# KiCad board stepper-driver.kicad_pcb
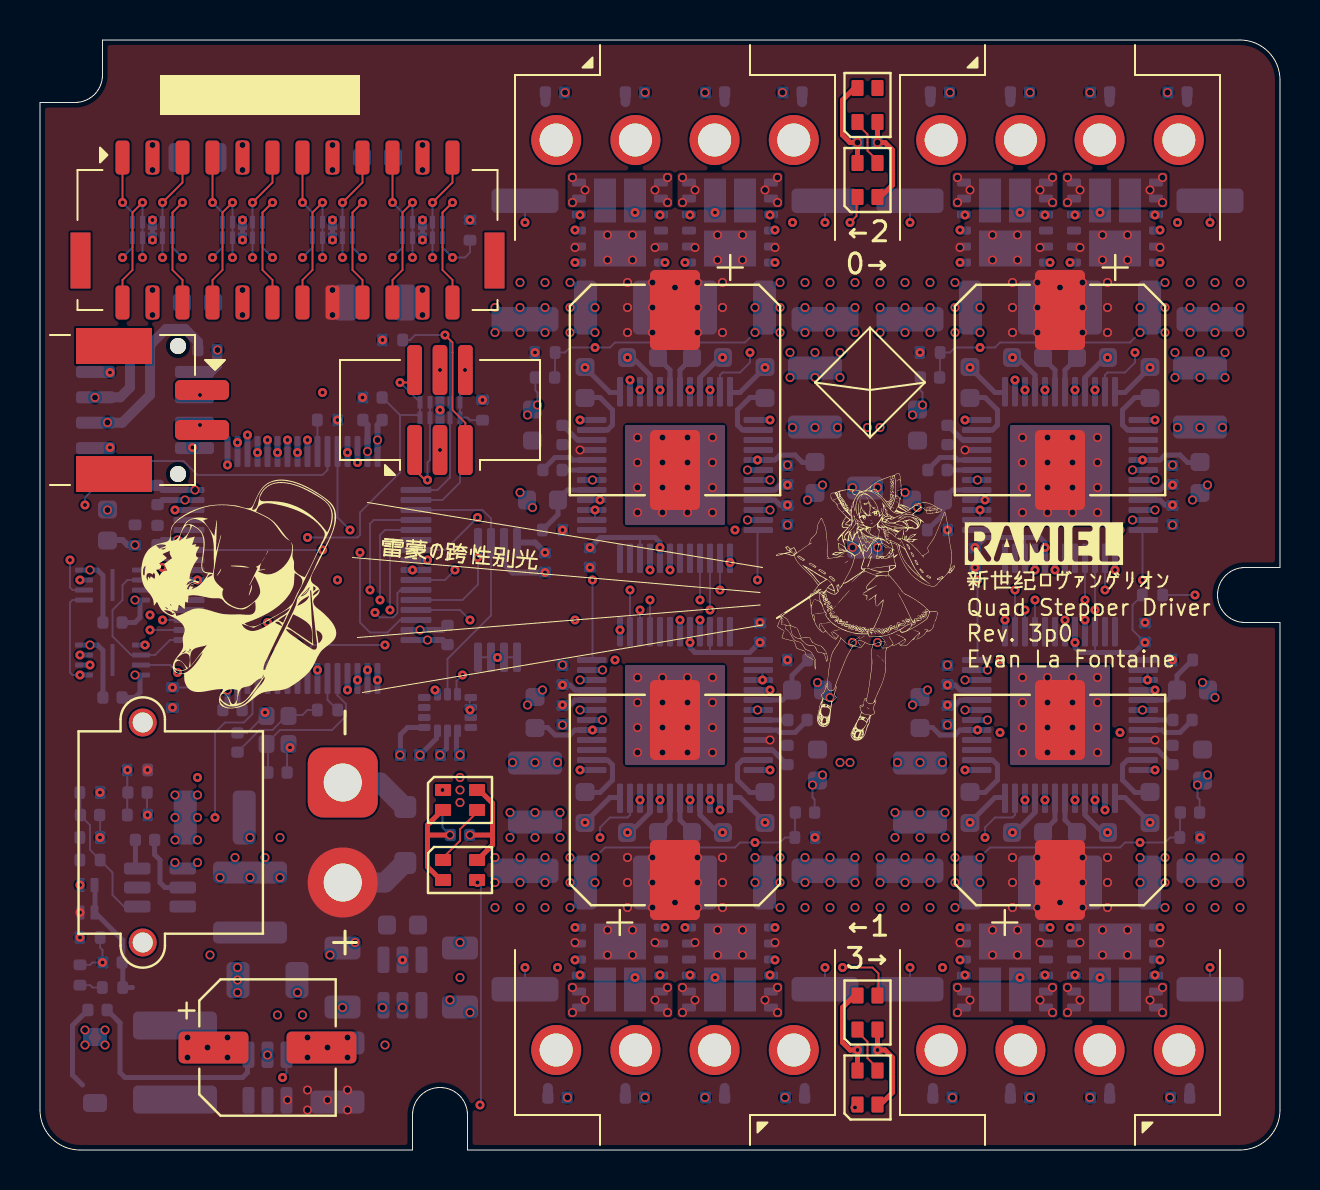
[diagram p0: board, top side]
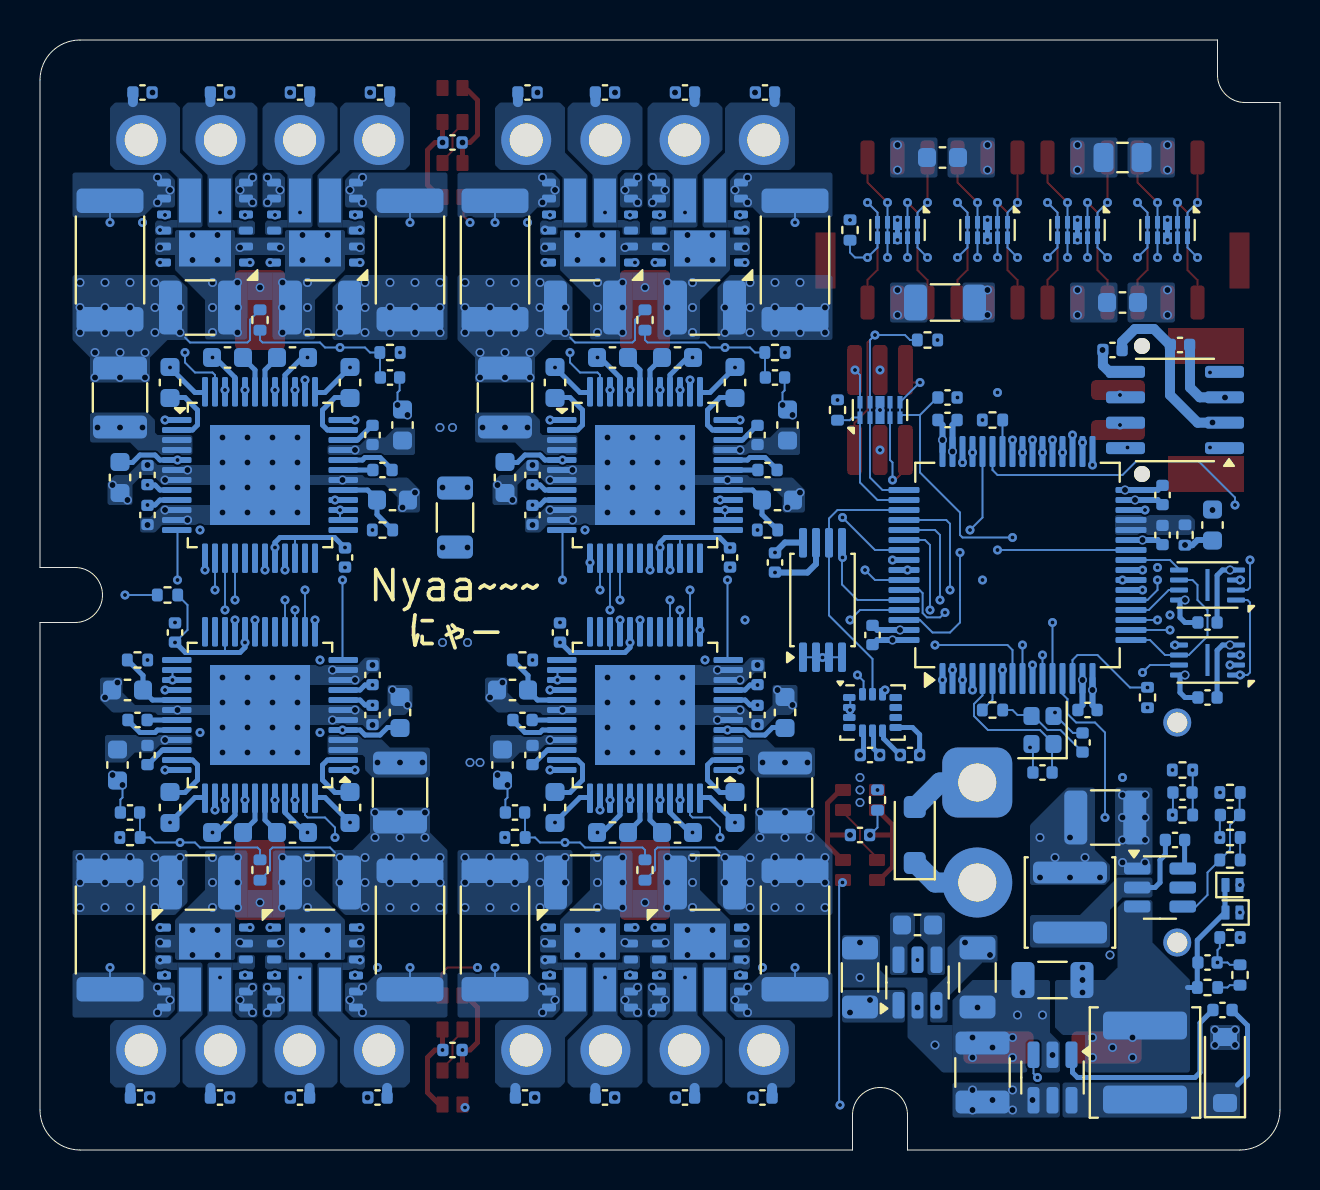
[diagram p1: board, bottom side, seen from below]

Outline 62 x 55.5 mm; copper layers: Top, In1.Cu (plane), In2.Cu, In3.Cu, In4.Cu (plane), Bottom. Coordinates in mm from the lower left corner of the outline.
Outline path: 0,2 0,52.38 1.75,52.38 arc(2.72,52.78) 3.12,53.75 3.12,55.5 60,55.5 arc(61.41,54.91) 62,53.5 62,29.12 60.25,29.12 arc(58.88,27.75) 60.25,26.38 62,26.38 62,2 arc(61.41,0.59) 60,0 21.38,0 21.38,1.75 arc(20,3.12) 18.62,1.75 18.62,0 2,0 arc(0.59,0.59) 0,2
Stack: Top 0.035mm / dielectric 0.0764mm FR4 er 4.5 / In1.Cu 0.0152mm / dielectric 0.075mm FR4 er 4.5 / In2.Cu 0.0152mm / dielectric 0.0764mm FR4 er 4.5 / dielectric 0.218mm FR4 er 4.5 / dielectric 0.0764mm FR4 er 4.5 / In3.Cu 0.0152mm / dielectric 0.075mm FR4 er 4.5 / In4.Cu 0.0152mm / dielectric 0.0764mm FR4 er 4.5 / Bottom 0.035mm

## Placement (name value [footprint] x y rotation side)
C101  10p  [C_0402_1005Metric]  11.88 18.88 180 bottom
C102  10p  [C_0402_1005Metric]  9.88 20.38 270 bottom
C103  10n  [C_0402_1005Metric]  16.62 37.62 0 bottom
C104  2u2-H  [C_1206_3216Metric]  16.75 42.38 180 bottom
C105  220n  [C_0402_1005Metric]  21 15.75 180 bottom
C106  1u-M  [C_0805_2012Metric]  7.88 49.62 0 bottom
C108  220n  [C_0402_1005Metric]  41.38 5 0 bottom
C109  220n  [C_0402_1005Metric]  41.38 50.38 0 bottom
C110  220n  [C_0402_1005Metric]  5 40.25 180 bottom
C111  220n  [C_0402_1005Metric]  5.88 30.75 90 bottom
C112  10u  [C_1206_3216Metric]  41.25 31.62 270 bottom
C113  2u2  [C_0603_1608Metric]  7.88 42.38 180 bottom
C114  2u2  [C_0603_1608Metric]  16.88 49.62 0 bottom
C116  220n  [C_0402_1005Metric]  8.38 40 0 bottom
C117  220n  [C_0402_1005Metric]  25.25 29.38 90 bottom
C118  220n  [C_0402_1005Metric]  20.5 19.75 0 bottom
C119  220n  [C_0402_1005Metric]  3.62 26.38 0 bottom
C120  220n  [C_0402_1005Metric]  3.62 22.62 0 bottom
C121  220n  [C_0402_1005Metric]  18.5 19.75 180 bottom
C122  220n  [C_0402_1005Metric]  5.88 32.75 90 bottom
C123  220n  [C_0402_1005Metric]  16.62 36.5 0 bottom
C124  220n  [C_0402_1005Metric]  9.62 22 180 bottom
C125  220n  [C_0402_1005Metric]  20.38 25.75 270 bottom
C210  10n  [C_0402_1005Metric]  4.88 17.88 180 bottom
C222  4u7-H  [C_1210_3225Metric]  14.88 3.88 270 bottom
C224  100n-M  [C_0402_1005Metric]  2.88 7 180 bottom
C225  33p  [C_0402_1005Metric]  3.62 9.38 0 bottom
C227  68u  [CP_Elec_6.3x7.7]  11.38 5.12 0 top
C230  4u7-M  [C_1206_3216Metric]  11.38 8.5 180 bottom
C231  220n  [C_0402_1005Metric]  5.25 15.5 0 bottom
C232  33p  [C_0402_1005Metric]  2.5 16.75 0 bottom
C233  22u  [C_1210_3225Metric]  8.74 16.62 0 bottom
C240  10u  [C_1206_3216Metric]  15.12 8.62 90 bottom
C241  2u2  [C_0603_1608Metric]  18.12 11.25 0 bottom
C242  10u  [C_1206_3216Metric]  21 8.62 270 bottom
C250  2u2  [C_0603_1608Metric]  3.38 31.25 270 bottom
C301  100n-M  [C_0402_1005Metric]  26.12 35.75 270 bottom
C302  33n  [C_0402_1005Metric]  25.62 34 0 bottom
C303  10n  [C_0402_1005Metric]  37.38 33.75 270 bottom
C304  2u2  [C_0603_1608Metric]  38.75 33.62 90 bottom
C305  2u2  [C_0603_1608Metric]  25.12 32.5 0 bottom
C306  330n-M  [C_0603_1608Metric]  30.12 39.62 0 bottom
C307  330n-M  [C_0603_1608Metric]  27.25 38.38 270 bottom
C308  330n-M  [C_0603_1608Metric]  36.25 38.38 270 bottom
C309  1n  [C_0402_1005Metric]  37.62 52.88 0 bottom
C310  1n  [C_0402_1005Metric]  33.75 52.88 0 bottom
C311  1n  [C_0402_1005Metric]  29.75 52.88 180 bottom
C312  1n  [C_0402_1005Metric]  25.75 52.88 180 bottom
C313  330n-M  [C_0603_1608Metric]  33.38 39.62 180 bottom
C314  10n  [C_0402_1005Metric]  37.38 31.75 90 bottom
C315  270u  [CP_Elec_10x10]  31.75 38 270 top
C316  4u7-H  [C_1210_3225Metric]  34.75 42.12 180 bottom
C317  4u7-H  [C_1210_3225Metric]  28.75 42.12 0 bottom
C318  100n-H  [C_0603_1608Metric]  24.62 36.25 270 bottom
C319  4u7-M  [C_1210_3225Metric]  38.75 37.62 270 bottom
C321  220n  [C_0402_1005Metric]  27.5 29.62 90 bottom
C322  220n  [C_0402_1005Metric]  25.25 38.62 0 bottom
C401  100n-H  [C_0603_1608Metric]  38.88 19.25 90 bottom
C402  100n-M  [C_0402_1005Metric]  37.38 19.75 90 bottom
C403  33n  [C_0402_1005Metric]  37.88 21.5 180 bottom
C404  10n  [C_0402_1005Metric]  26.12 21.75 90 bottom
C406  2u2  [C_0603_1608Metric]  24.75 21.87 270 bottom
C407  2u2  [C_0603_1608Metric]  38.38 23 180 bottom
C408  330n-M  [C_0603_1608Metric]  33.38 15.88 180 bottom
C409  330n-M  [C_0603_1608Metric]  36.25 17.13 90 bottom
C410  330n-M  [C_0603_1608Metric]  27.25 17.12 90 bottom
C411  1n  [C_0402_1005Metric]  25.88 2.62 180 bottom
C412  1n  [C_0402_1005Metric]  29.75 2.62 180 bottom
C413  1n  [C_0402_1005Metric]  33.75 2.62 0 bottom
C414  1n  [C_0402_1005Metric]  37.75 2.62 0 bottom
C415  330n-M  [C_0603_1608Metric]  30.13 15.88 0 bottom
C416  10n  [C_0402_1005Metric]  26.12 23.75 270 bottom
C419  220n  [C_0402_1005Metric]  36 25.88 270 bottom
C421  4u7-M  [C_1210_3225Metric]  24.75 17.88 90 bottom
C422  270u  [CP_Elec_10x10]  31.75 17.5 90 top
C424  4u7-H  [C_1210_3225Metric]  28.75 13.38 0 bottom
C425  4u7-H  [C_1210_3225Metric]  34.75 13.38 180 bottom
C426  220n  [C_0402_1005Metric]  38.25 16.88 180 bottom
C501  100n-H  [C_0603_1608Metric]  43.88 36.25 270 bottom
C502  100n-M  [C_0402_1005Metric]  45.38 35.75 270 bottom
C503  33n  [C_0402_1005Metric]  44.88 34 0 bottom
C504  10n  [C_0402_1005Metric]  56.62 33.75 270 bottom
C506  2u2  [C_0603_1608Metric]  58 33.62 90 bottom
C507  2u2  [C_0603_1608Metric]  44.38 32.5 0 bottom
C508  330n-M  [C_0603_1608Metric]  49.38 39.62 0 bottom
C509  330n-M  [C_0603_1608Metric]  46.5 38.38 270 bottom
C510  330n-M  [C_0603_1608Metric]  55.5 38.38 270 bottom
C511  1n  [C_0402_1005Metric]  56.88 52.88 0 bottom
C512  1n  [C_0402_1005Metric]  53 52.88 0 bottom
C513  1n  [C_0402_1005Metric]  49 52.88 180 bottom
C514  1n  [C_0402_1005Metric]  45 52.88 180 bottom
C515  330n-M  [C_0603_1608Metric]  52.62 39.62 180 bottom
C516  10n  [C_0402_1005Metric]  56.62 31.75 90 bottom
C519  220n  [C_0402_1005Metric]  46.75 29.62 90 bottom
C521  4u7-M  [C_1210_3225Metric]  58 37.62 270 bottom
C522  270u  [CP_Elec_10x10]  51 38 270 top
C524  4u7-H  [C_1210_3225Metric]  54 42.12 180 bottom
C525  4u7-H  [C_1210_3225Metric]  48 42.12 0 bottom
C526  220n  [C_0402_1005Metric]  44.5 38.62 0 bottom
C601  100n-H  [C_0603_1608Metric]  58.12 19.25 90 bottom
C602  100n-M  [C_0402_1005Metric]  56.62 19.75 90 bottom
C603  33n  [C_0402_1005Metric]  57.12 21.5 180 bottom
C604  10n  [C_0402_1005Metric]  45.38 21.75 90 bottom
C606  2u2  [C_0603_1608Metric]  44 21.87 270 bottom
C607  2u2  [C_0603_1608Metric]  57.62 23 180 bottom
C608  330n-M  [C_0603_1608Metric]  52.62 15.88 180 bottom
C609  330n-M  [C_0603_1608Metric]  55.5 17.13 90 bottom
C610  330n-M  [C_0603_1608Metric]  46.5 17.12 90 bottom
C611  1n  [C_0402_1005Metric]  45.13 2.62 180 bottom
C612  1n  [C_0402_1005Metric]  49 2.62 180 bottom
C613  1n  [C_0402_1005Metric]  53 2.62 0 bottom
C614  1n  [C_0402_1005Metric]  57 2.62 0 bottom
C615  330n-M  [C_0603_1608Metric]  49.38 15.88 0 bottom
C616  10n  [C_0402_1005Metric]  45.38 23.75 270 bottom
C619  220n  [C_0402_1005Metric]  55.25 25.88 270 bottom
C621  4u7-M  [C_1210_3225Metric]  44 17.88 90 bottom
C622  270u  [CP_Elec_10x10]  51 17.5 90 top
C624  4u7-H  [C_1210_3225Metric]  48 13.38 0 bottom
C625  4u7-H  [C_1210_3225Metric]  54 13.38 180 bottom
C626  220n  [C_0402_1005Metric]  57.5 16.88 180 bottom
D101  -  [WS2812B-2020]  21 17.5 0 top
D103  -  [WS2812B-2020]  21 14 0 top
D104  3V3  [Diodes_UDFN-10_1.0x2.5mm_P0.5mm]  5.62 46 270 bottom
D105  3V3  [Diodes_UDFN-10_1.0x2.5mm_P0.5mm]  10.12 46 270 bottom
D106  3V3  [Diodes_UDFN-10_1.0x2.5mm_P0.5mm]  14.62 46 270 bottom
D107  3V3  [Diodes_UDFN-10_1.0x2.5mm_P0.5mm]  19.12 46 270 bottom
D108  3V3  [Diodes_UDFN-10_1.0x2.5mm_P0.5mm]  20 37 90 bottom
D210  30V  [D_SOD-123F]  18.26 15.75 90 bottom
D220  SBR0560S1-7  [D_SOD-123]  2.75 4 90 bottom
D221  SBR0240LP-7  [D_SOD-882]  2.38 11.88 0 bottom
D230  SBR0240LP-7  [D_SOD-882]  2.38 13.25 180 bottom
D301  -  [WS2812B-2020]  41.38 48.5 90 top
D402  -  [WS2812B-2020]  41.38 6.88 90 top
D502  -  [WS2812B-2020]  41.38 52.25 90 top
D602  -  [WS2812B-2020]  41.38 3.12 90 top
J101  -  [SM02B-PASS]  0 37 90 top
J102  -  [BM24B-ZPDSS]  12.38 46 0 top
J103  IDC_6P  [IDC6]  20 37 0 top
J210  XT30M  [AMASS_XT30PW-M_1x02_P2.50mm_Horizontal]  15.14 18.38 90 top
J301  -  [B4P-VH]  31.75 45.5 180 top
J401  -  [B4P-VH]  31.75 10 0 top
J501  -  [B4P-VH]  51 45.5 180 top
J601  -  [B4P-VH]  51 10 0 top
L221  15u  [L_Changjiang_FNR5040S]  6.75 4.38 90 bottom
L230  4u7  [L_Changjiang_FNR4020S]  10.5 12.38 90 bottom
L250  600R  [R_0402_1005Metric]  4.75 30.75 90 bottom
R101  1k  [R_0402_1005Metric]  20.12 17.5 90 bottom
R102  470R  [R_0402_1005Metric]  14.38 22 0 bottom
R103  10k  [R_0402_1005Metric]  55.62 27.75 0 bottom
R104  22R  [R_0402_1005Metric]  14.38 36.5 180 bottom
R105  10k  [R_0402_1005Metric]  6.62 22.62 90 bottom
R106  10k  [R_0402_1005Metric]  21.5 46 90 bottom
R107  100k  [R_0402_1005Metric]  17.62 40.5 0 bottom
R108  100k  [R_0402_1005Metric]  22.12 37 90 bottom
R210  220k  [R_0402_1005Metric]  4.88 19 180 bottom
R211  10k  [R_0402_1005Metric]  4.88 16.75 0 bottom
R220  100k  [R_0402_1005Metric]  3.62 8.12 180 bottom
R221  47k  [R_0402_1005Metric]  2 8.75 90 bottom
R222  10k  [R_0402_1005Metric]  2.5 10.62 180 bottom
R230  22k  [R_0402_1005Metric]  2.5 15.62 180 bottom
R231  10k  [R_0402_1005Metric]  2.5 14.5 0 bottom
R232  10k  [R_0402_1005Metric]  2.5 17.88 0 bottom
R301  2R2  [R_0402_1005Metric]  25.62 31 180 bottom
R302  20m  [R_2512_6332Metric]  24.25 44.5 270 bottom
R303  20m  [R_2512_6332Metric]  39.25 44.5 270 bottom
R304  2k2  [R_0402_1005Metric]  25.25 39.88 0 bottom
R407  2R2  [R_0402_1005Metric]  37.88 24.5 0 bottom
R408  20m  [R_2512_6332Metric]  39.25 11 90 bottom
R415  20m  [R_2512_6332Metric]  24.25 11 90 bottom
R417  2k2  [R_0402_1005Metric]  38.25 15.63 180 bottom
R507  2R2  [R_0402_1005Metric]  44.88 31 180 bottom
R508  20m  [R_2512_6332Metric]  43.5 44.5 270 bottom
R515  20m  [R_2512_6332Metric]  58.5 44.5 270 bottom
R517  2k2  [R_0402_1005Metric]  44.5 39.88 0 bottom
R607  2R2  [R_0402_1005Metric]  57.12 24.5 0 bottom
R608  20m  [R_2512_6332Metric]  58.5 11 90 bottom
R615  20m  [R_2512_6332Metric]  43.5 11 90 bottom
R617  2k2  [R_0402_1005Metric]  57.5 15.63 180 bottom
TH301  10k  [R_0402_1005Metric]  31.75 41.5 90 bottom
TH401  10k  [R_0402_1005Metric]  31.75 14 270 bottom
TH501  10k  [R_0402_1005Metric]  51 41.5 90 bottom
TH601  10k  [R_0402_1005Metric]  51 14 270 bottom
U101  STM32G474  [LQFP-64-0.5]  13.12 29.25 90 bottom
U102  TCAN1462V  [SOIC-8_3.9x4.9mm_P1.27mm]  5.25 37 0 bottom
U103  ZD24C128A  [TSSOP-8_4.4x3.0-0.65]  22.88 27.5 90 bottom
U105  ZD25WQ16C  [Winbond_USON-8-1EP_3x2mm_P0.5mm_EP0.2x1.6mm]  3.62 24.5 0 bottom
U106  ZD25WQ16C  [Winbond_USON-8-1EP_3x2mm_P0.5mm_EP0.2x1.6mm]  3.62 28.25 0 bottom
U107  ISM330DLC  [LGA-14_3x2.5mm_P0.5mm_LayoutBorder3x4y]  20.38 21.88 180 bottom
U220  MP2459GJ-Z-MS  [TSOT-23-6]  11.38 3.62 270 bottom
U230  AP62200TWU  [TSOT-23-6]  6 13.12 180 bottom
U240  HX4002  [SOT-23-6]  18.12 8.38 90 bottom
U301  DMHT6016LFJ  [VDFN5045-12]  29 46.38 90 bottom
U302  TMC5160A-TA  [TQFP-48-0.5-EP]  31.75 33.75 180 bottom
U303  DMHT6016LFJ  [VDFN5045-12]  34.5 46.38 90 bottom
U401  DMHT6016LFJ  [VDFN5045-12]  34.5 9.12 270 bottom
U402  TMC5160A-TA  [TQFP-48-0.5-EP]  31.75 21.75 0 bottom
U403  DMHT6016LFJ  [VDFN5045-12]  29 9.12 270 bottom
U501  DMHT6016LFJ  [VDFN5045-12]  48.25 46.38 90 bottom
U502  TMC5160A-TA  [TQFP-48-0.5-EP]  51 33.75 180 bottom
U503  DMHT6016LFJ  [VDFN5045-12]  53.75 46.38 90 bottom
U601  DMHT6016LFJ  [VDFN5045-12]  53.75 9.12 270 bottom
U602  TMC5160A-TA  [TQFP-48-0.5-EP]  51 21.75 0 bottom
U603  DMHT6016LFJ  [VDFN5045-12]  48.25 9.12 270 bottom
Y101  24Mhz  [Crystal_SMD_2016-4Pin_2.0x1.6mm]  11.88 21 90 bottom

## Library data of the parts
C101-C106 C108-C114 C116-C125 C210 C222 C224 C225 C230-C233 C240-C242 C250 C301-C314 C316-C319 C321 C322 C401-C404 C406-C416 C419 C421 C424-C426 C501-C504 C506-C516 C519 C521 C524-C526 C601-C604 C606-C616 C619 C621 C624-C626 = -: ki_fp_filters: C_*
C227 C315 C422 C522 C622 = -: ki_fp_filters: CP_*
D101 D103 D301 D402 D502 D602 = -: ki_fp_filters: LED*WS2812*-2020_PLCC4*
D104-D108 D210 D220 D221 D230 = -: ki_fp_filters: TO-???* *_Diode_* *SingleDiode* D_*
J101 J210 J301 J401 J501 J601 = -: ki_fp_filters: Connector*:*_1x??_*
J102 = -: ki_fp_filters: Connector*:*_2x??_*
L221 L230 L250 = -: ki_fp_filters: Choke_* *Coil* Inductor_* L_*
R101-R108 R210 R211 R220-R222 R230-R232 R301-R304 R407 R408 R415 R417 R507 R508 R515 R517 R607 R608 R615 R617 TH301 TH401 TH501 TH601 = -: ki_fp_filters: R_*
U101 = -: ki_fp_filters: LQFP64-10x10mm
U103 = -: ki_fp_filters: DIP*W7.62mm* SOIC*3.9x4.9mm* TSSOP*4.4x3mm*P0.65mm* DFN*3x2mm*P0.5mm*
U220 U230 = -: ki_fp_filters: TSOT?23*
U240 = -: ki_fp_filters: SOT?23*
U302 U402 U502 U602 = -: ki_fp_filters: TQFP*1EP*7x7mm*P0.5mm*
Y101 = -: ki_fp_filters: Crystal*

## Footprints (pads in the part's own frame, mm; a bottom-side part is the same pattern mirrored in y, then rotated)
AMASS_XT30PW-M_1x02_P2.50mm_Horizontal
  round 1.4 hole 1: (-8,10) (3,10)
  rrect 3.5x3.5 hole 1.9: 1(0,0)
  round 3.5 hole 1.9: 2(-5,0)
B4P-VH
  round 2.5 hole 1.65: 1(5.94,-5) 2(1.98,-5) 3(-1.98,-5) 4(-5.94,-5)
BM24B-ZPDSS
  rect 1x2.8 smd: (-10.35,-1.525) (10.35,-1.525)
  rrect 0.7x1.7 smd: 1(-8.25,3.625) 2(-8.25,-3.625) 3(-6.75,3.625) 4(-6.75,-3.625) 5(-5.25,3.625) 6(-5.25,-3.625) 7(-3.75,3.625) 8(-3.75,-3.625) 9(-2.25,3.625) 10(-2.25,-3.625) 11(-0.75,3.625) 12(-0.75,-3.625) 13(0.75,3.625) 14(0.75,-3.625) 15(2.25,3.625) 16(2.25,-3.625) 17(3.75,3.625) 18(3.75,-3.625) 19(5.25,3.625) 20(5.25,-3.625) 21(6.75,3.625) 22(6.75,-3.625) 23(8.25,3.625) 24(8.25,-3.625)
C_0402_1005Metric
  rrect 0.56x0.62 smd: 1(-0.48,0) 2(0.48,0)
C_0603_1608Metric
  rrect 0.9x0.95 smd: 1(-0.775,0) 2(0.775,0)
C_0805_2012Metric
  rrect 1x1.45 smd: 1(-0.95,0) 2(0.95,0)
C_1206_3216Metric
  rrect 1.15x1.8 smd: 1(-1.475,0) 2(1.475,0)
C_1210_3225Metric
  rrect 1.15x2.7 smd: 1(-1.475,0) 2(1.475,0)
CP_Elec_6.3x7.7
  rrect 3.5x1.6 smd: 1(-2.7,0) 2(2.7,0)
CP_Elec_10x10
  rrect 4x2.5 smd: 1(-4,0) 2(4,0)
Crystal_SMD_2016-4Pin_2.0x1.6mm
  rrect 0.9x0.8 smd: 1(-0.7,-0.55) 2(0.7,-0.55) 3(0.7,0.55) 4(-0.7,0.55)
D_SOD-123
  rrect 0.9x1.2 smd: 1(-1.65,0) 2(1.65,0)
D_SOD-123F
  rrect 1.1x1.1 smd: 1(-1.4,0) 2(1.4,0)
D_SOD-882
  rrect 0.3x0.6 smd: (-0.35,0) (0.35,0)
  rrect 0.4x0.7 smd: 1(-0.35,0) 2(0.35,0)
Diodes_UDFN-10_1.0x2.5mm_P0.5mm
  rect 0.625x0.25 smd: 1(-0.388,1) 2(-0.388,0.5) 4(-0.388,-0.5) 5(-0.388,-1) 6(0.388,-1) 7(0.388,-0.5) 9(0.388,0.5) 10(0.388,1)
  rect 0.7x0.45 smd: 3(-0.35,0)
  rect 0.575x0.45 smd: 8(0.412,0)
IDC6
  rrect 0.74x2.5 smd: 1(-1.27,-2) 2(-1.27,2) 3(0,-2) 4(0,2) 5(1.27,-2) 6(1.27,2)
L_Changjiang_FNR4020S
  rrect 1.1x3.7 smd: 1(-1.5,0) 2(1.5,0)
L_Changjiang_FNR5040S
  rrect 1.4x4.2 smd: 1(-1.85,0) 2(1.85,0)
LGA-14_3x2.5mm_P0.5mm_LayoutBorder3x4y
  rrect 0.625x0.35 smd: 1(-1.163,0.75) 2(-1.163,0.25) 3(-1.163,-0.25) 4(-1.163,-0.75) 8(1.163,-0.75) 9(1.163,-0.25) 10(1.163,0.25) 11(1.163,0.75)
  rrect 0.35x0.625 smd: 5(-0.5,-0.912) 6(0,-0.912) 7(0.5,-0.912) 12(0.5,0.912) 13(0,0.912) 14(-0.5,0.912)
LQFP-64-0.5
  rrect 1.55x0.3 smd: 1(-5.675,3.75) 2(-5.675,3.25) 3(-5.675,2.75) 4(-5.675,2.25) 5(-5.675,1.75) 6(-5.675,1.25) 7(-5.675,0.75) 8(-5.675,0.25) 9(-5.675,-0.25) 10(-5.675,-0.75) 11(-5.675,-1.25) 12(-5.675,-1.75) 13(-5.675,-2.25) 14(-5.675,-2.75) 15(-5.675,-3.25) 16(-5.675,-3.75) 33(5.675,-3.75) 34(5.675,-3.25) 35(5.675,-2.75) 36(5.675,-2.25) 37(5.675,-1.75) 38(5.675,-1.25) 39(5.675,-0.75) 40(5.675,-0.25) 41(5.675,0.25) 42(5.675,0.75) 43(5.675,1.25) 44(5.675,1.75) 45(5.675,2.25) 46(5.675,2.75) 47(5.675,3.25) 48(5.675,3.75)
  rrect 0.3x1.55 smd: 17(-3.75,-5.675) 18(-3.25,-5.675) 19(-2.75,-5.675) 20(-2.25,-5.675) 21(-1.75,-5.675) 22(-1.25,-5.675) 23(-0.75,-5.675) 24(-0.25,-5.675) 25(0.25,-5.675) 26(0.75,-5.675) 27(1.25,-5.675) 28(1.75,-5.675) 29(2.25,-5.675) 30(2.75,-5.675) 31(3.25,-5.675) 32(3.75,-5.675) 49(3.75,5.675) 50(3.25,5.675) 51(2.75,5.675) 52(2.25,5.675) 53(1.75,5.675) 54(1.25,5.675) 55(0.75,5.675) 56(0.25,5.675) 57(-0.25,5.675) 58(-0.75,5.675) 59(-1.25,5.675) 60(-1.75,5.675) 61(-2.25,5.675) 62(-2.75,5.675) 63(-3.25,5.675) 64(-3.75,5.675)
R_0402_1005Metric
  rrect 0.54x0.64 smd: 1(-0.51,0) 2(0.51,0)
R_2512_6332Metric
  rrect 1.225x3.35 smd: 1(-2.962,0) 2(2.962,0)
SM02B-PASS
  rect 1.8x3.8 smd: (-3.2,-3.7) (3.2,-3.7)
  round 0.8 hole 0.8 unplated: (-3.2,-6.9) (3.2,-6.9)
  rrect 1x2.7 smd: 1(1,-8.1) 2(-1,-8.1)
SOIC-8_3.9x4.9mm_P1.27mm
  rrect 1.95x0.6 smd: 1(-2.475,1.905) 2(-2.475,0.635) 3(-2.475,-0.635) 4(-2.475,-1.905) 5(2.475,-1.905) 6(2.475,-0.635) 7(2.475,0.635) 8(2.475,1.905)
SOT-23-6
  rrect 1.325x0.6 smd: 1(-1.137,0.95) 2(-1.137,0) 3(-1.137,-0.95) 4(1.137,-0.95) 5(1.137,0) 6(1.137,0.95)
TQFP-48-0.5-EP
  rrect 1.01x1.01 smd: (-1.875,-1.875) (-1.875,-0.625) (-1.875,0.625) (-1.875,1.875) (-0.625,-1.875) (-0.625,-0.625) (-0.625,0.625) (-0.625,1.875) (0.625,-1.875) (0.625,-0.625) (0.625,0.625) (0.625,1.875) (1.875,-1.875) (1.875,-0.625) (1.875,0.625) (1.875,1.875)
  rrect 1.475x0.3 smd: 1(-4.162,2.75) 2(-4.162,2.25) 3(-4.162,1.75) 4(-4.162,1.25) 5(-4.162,0.75) 6(-4.162,0.25) 7(-4.162,-0.25) 8(-4.162,-0.75) 9(-4.162,-1.25) 10(-4.162,-1.75) 11(-4.162,-2.25) 12(-4.162,-2.75) 25(4.162,-2.75) 26(4.162,-2.25) 27(4.162,-1.75) 28(4.162,-1.25) 29(4.162,-0.75) 30(4.162,-0.25) 31(4.162,0.25) 32(4.162,0.75) 33(4.162,1.25) 34(4.162,1.75) 35(4.162,2.25) 36(4.162,2.75)
  rrect 0.3x1.475 smd: 13(-2.75,-4.162) 14(-2.25,-4.162) 15(-1.75,-4.162) 16(-1.25,-4.162) 17(-0.75,-4.162) 18(-0.25,-4.162) 19(0.25,-4.162) 20(0.75,-4.162) 21(1.25,-4.162) 22(1.75,-4.162) 23(2.25,-4.162) 24(2.75,-4.162) 37(2.75,4.162) 38(2.25,4.162) 39(1.75,4.162) 40(1.25,4.162) 41(0.75,4.162) 42(0.25,4.162) 43(-0.25,4.162) 44(-0.75,4.162) 45(-1.25,4.162) 46(-1.75,4.162) 47(-2.25,4.162) 48(-2.75,4.162)
  rect 5x5 smd: 49(0,0)
TSOT-23-6
  rrect 1.325x0.6 smd: 1(-1.137,0.95) 2(-1.137,0) 3(-1.137,-0.95) 4(1.137,-0.95) 5(1.137,0) 6(1.137,0.95)
TSSOP-8_4.4x3.0-0.65
  rrect 1.475x0.4 smd: 1(-2.862,0.975) 2(-2.862,0.325) 3(-2.862,-0.325) 4(-2.862,-0.975) 5(2.862,-0.975) 6(2.862,-0.325) 7(2.862,0.325) 8(2.862,0.975)
VDFN5045-12
  rrect 0.7x1.1 smd: (-1.75,-0.65) (-1.75,0.65) (-0.85,-0.65) (-0.85,0.65)
  rrect 0.9x0.9 smd: (0.55,-0.75) (0.55,0.75) (1.65,-0.75) (1.65,0.75)
  rrect 0.4x0.7 smd: 1(-2,-2.05) 2(-1.2,-2.05) 3(-0.4,-2.05) 4(0.4,-2.05) 5(1.2,-2.05) 6(2,-2.05) 7(2,2.05) 8(1.2,2.05) 9(0.4,2.05) 10(-0.4,2.05) 11(-1.2,2.05) 12(-2,2.05)
  rect 1.8x2.6 smd: A(-1.3,0)
  rect 2.2x1.1 smd: B(1.1,-0.75) C(1.1,0.75)
Winbond_USON-8-1EP_3x2mm_P0.5mm_EP0.2x1.6mm
  rrect 0.16x1.29 smd: (0,0)
  rrect 0.9x0.25 smd: 1(-1.425,0.75) 2(-1.425,0.25) 3(-1.425,-0.25) 4(-1.425,-0.75) 5(1.425,-0.75) 6(1.425,-0.25) 7(1.425,0.25) 8(1.425,0.75)
  rect 0.2x1.6 smd: 9(0,0)
WS2812B-2020
  rrect 0.8x0.6 smd: 1(0.85,-0.5) 2(0.85,0.5) 3(-0.85,0.5) 4(-0.85,-0.5)

## Nets
+5V: C105.2 C108.2 C109.2 C110.2 C242.2 D101.4 D103.4 D301.4 D402.4 D502.4 D602.4 R101.1 U102.3 U240.1
+12V: C106.2 C225.2 C227.1 C230.2 C319.2 C421.2 C521.2 C621.2 D221.2 D230.1 J102.9 L221.2 R220.1 U230.3 U302.3 U302.4 U402.3 U402.4 U502.3 U502.4 U602.3 U602.4
/Channel0/5V_{FLT}: C305.2 R301.2 U302.29
/Channel0/5V_{RAW}: C304.2 R301.1 U302.5
/Channel1/5V_{FLT}: C407.2 R407.2 U402.29
/Channel1/5V_{RAW}: C406.2 R407.1 U402.5
/Channel2/5V_{FLT}: C507.2 R507.2 U502.29
/Channel2/5V_{RAW}: C506.2 R507.1 U502.5
/Channel3/5V_{FLT}: C607.2 R607.2 U602.29
/Channel3/5V_{RAW}: C606.2 R607.1 U602.5
/Power/3V3_{BST}: C231.1 U230.6
/Power/3V3_{FBM}: R230.2 R231.1
/Power/3V3_{FB}: C232.1 R231.2 R232.1 U230.4
/Power/3V3_{SW}: C231.2 L230.1 U230.2
/Power/12V_{BST}: C224.1 U220.1
/Power/12V_{FBM}: R220.2 R221.1
/Power/12V_{FB}: C225.1 R221.2 R222.1 U220.3
/Power/12V_{SW}: C224.2 D220.1 L221.1 U220.6
/VBUS_SENSE: C210.2 R210.2 R211.1 U101.43
GND: C101.1 C102.1 C103.1 C104.1 C105.1 C106.1 C108.1 C109.1 C110.1 C111.1 C112.1 C113.1 C114.1 C116.1 C117.1 C118.1 C119.1 C120.1 C121.1 C122.1 C123.1 C124.1 C125.1 C210.1 C222.1 C227.2 C230.1 C233.1 C240.1 C242.1 C250.1 C303.1 C304.1 C305.1 C309.1 C310.1 C311.1 C312.1 C314.1 C315.2 C316.1 C317.1 C318.1 C319.1 C321.1 C322.1 C401.1 C404.1 C406.1 C407.1 C411.1 C412.1 C413.1 C414.1 C416.1 C419.1 C421.1 C422.2 C424.1 C425.1 C426.1 C501.1 C504.1 C506.1 C507.1 C511.1 C512.1 C513.1 C514.1 C516.1 C519.1 C521.1 C522.2 C524.1 C525.1 C526.1 C601.1 C604.1 C606.1 C607.1 C611.1 C612.1 C613.1 C614.1 C616.1 C619.1 C621.1 C622.2 C624.1 C625.1 C626.1 D101.2 D103.2 D104.3 D104.8 D105.3 D105.8 D106.3 D106.8 D107.3 D107.8 D108.3 D108.8 D210.2 D220.2 D301.2 D402.2 D502.2 D602.2 J102.3 J102.10 J102.15 J102.22 J103.3 J210.1 R106.2 R108.2 R211.2 R222.2 R232.2 R302.2 R303.2 R408.2 R415.2 R508.2 R515.2 R608.2 R615.2 TH301.2 TH401.2 TH501.2 TH601.2 U101.15 U101.27 U101.31 U101.47 U101.63 U102.2 U102.8 U103.1 U103.2 U103.3 U103.4 U103.7 U105.4 U106.4 U107.1 U107.2 U107.3 U107.6 U107.7 U220.2 U230.1 U240.2 U302.6 U302.7 U302.10 U302.11 U302.19 U302.21 U302.30 U302.49 U402.6 U402.7 U402.10 U402.11 U402.19 U402.21 U402.30 U402.49 U502.6 U502.7 U502.10 U502.11 U502.19 U502.21 U502.30 U502.49 U602.6 U602.7 U602.10 U602.11 U602.19 U602.21 U602.30 U602.49 Y101.2 Y101.4
VBUS: C104.2 C222.2 C301.2 C315.1 C316.2 C317.2 C318.2 C401.2 C402.2 C422.1 C424.2 C425.2 C501.2 C502.2 C522.1 C524.2 C525.2 C601.2 C602.2 C622.1 C624.2 C625.2 D210.1 D221.1 J102.16 J210.2 R210.1 U220.4 U220.5 U301.2 U301.11 U301.A U302.33 U303.2 U303.11 U303.A U401.2 U401.11 U401.A U402.33 U403.2 U403.11 U403.A U501.2 U501.11 U501.A U502.33 U503.2 U503.11 U503.A U601.2 U601.11 U601.A U602.33 U603.2 U603.11 U603.A
VDD: C112.2 C113.2 C114.2 C116.2 C117.2 C118.2 C119.2 C120.2 C121.2 C122.2 C123.2 C124.2 C125.2 C232.2 C233.2 C240.2 C250.2 C321.2 C419.2 C519.2 C619.2 D230.2 J102.4 J102.21 J103.4 L230.2 L250.1 R103.1 R105.1 R107.1 R230.1 R304.1 R417.1 R517.1 R617.1 U101.1 U101.16 U101.32 U101.48 U101.64 U102.5 U103.8 U105.8 U106.8 U107.5 U107.8 U107.12 U240.3 U240.5 U302.20 U302.22 U402.20 U402.22 U502.20 U502.22 U602.20 U602.22